# Allegro board RM08S_V10_220913.brd
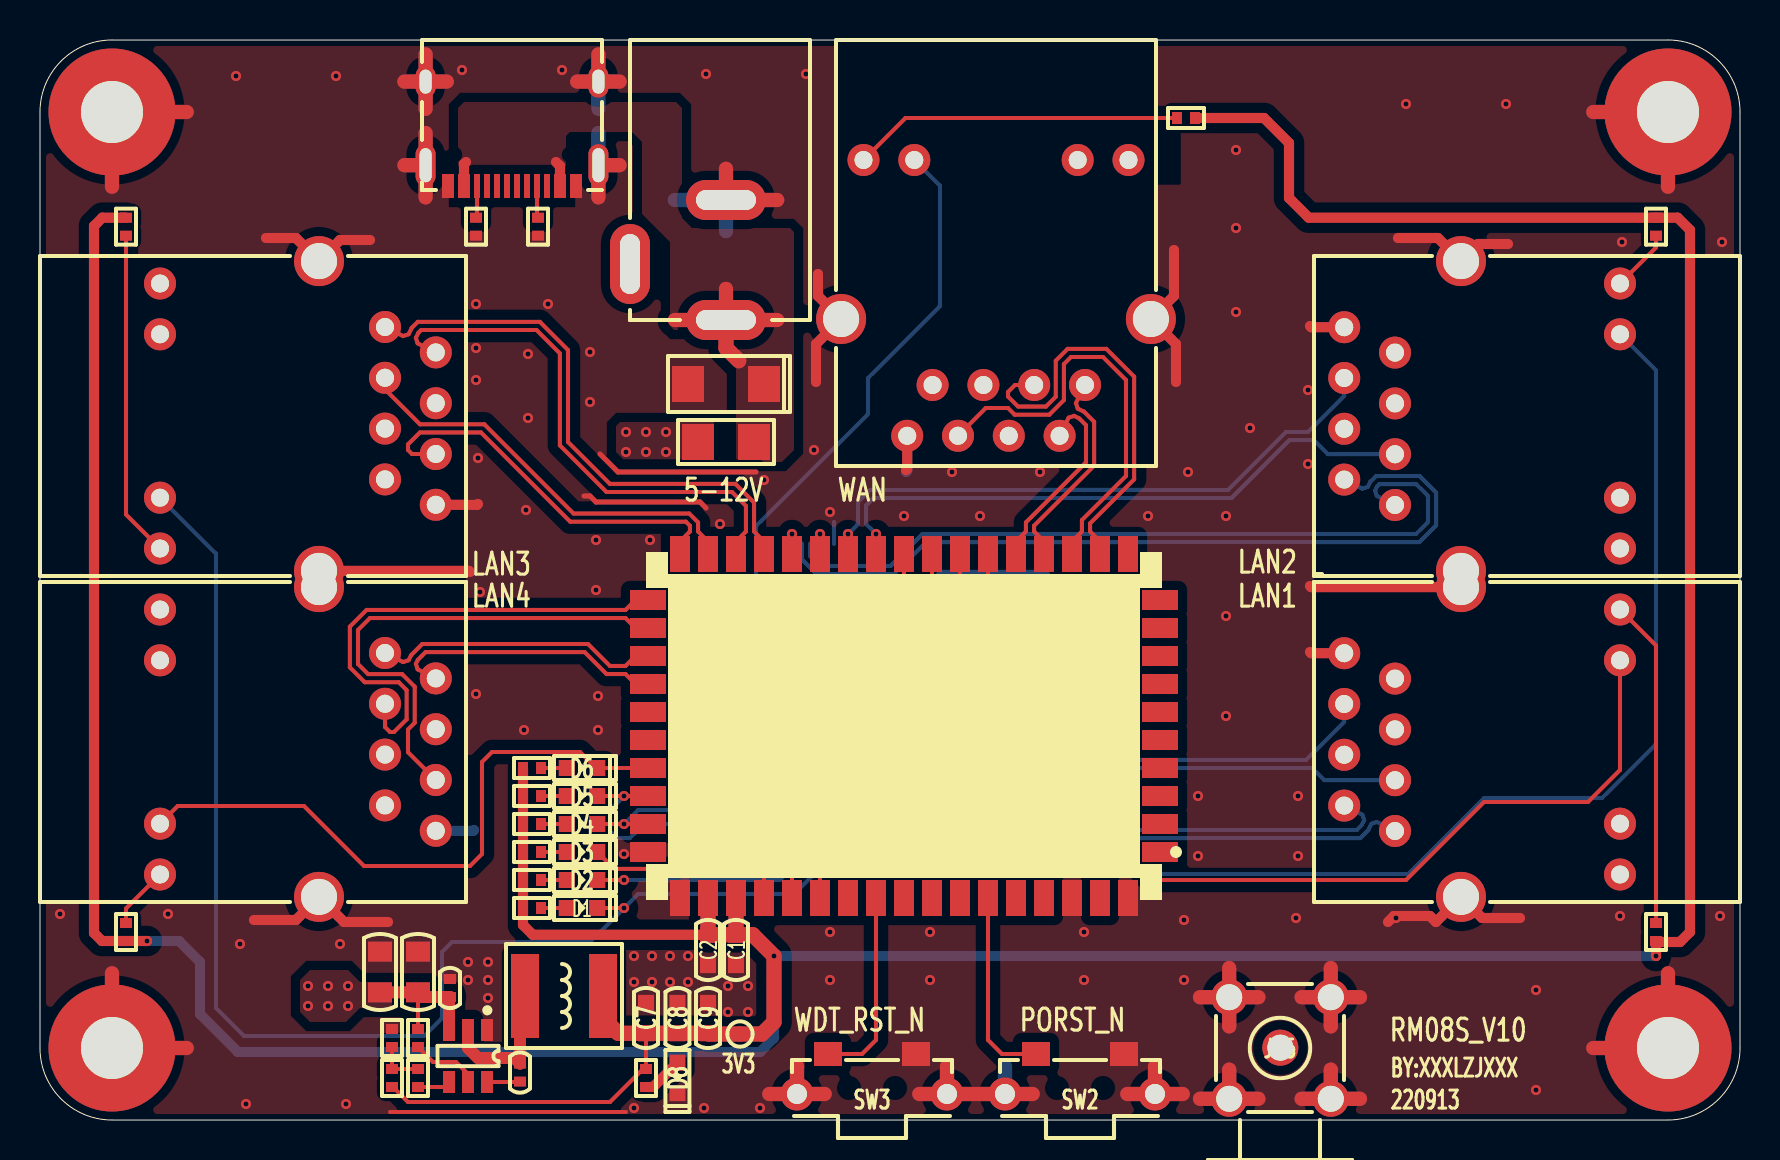
[diagram p0: board, top side]
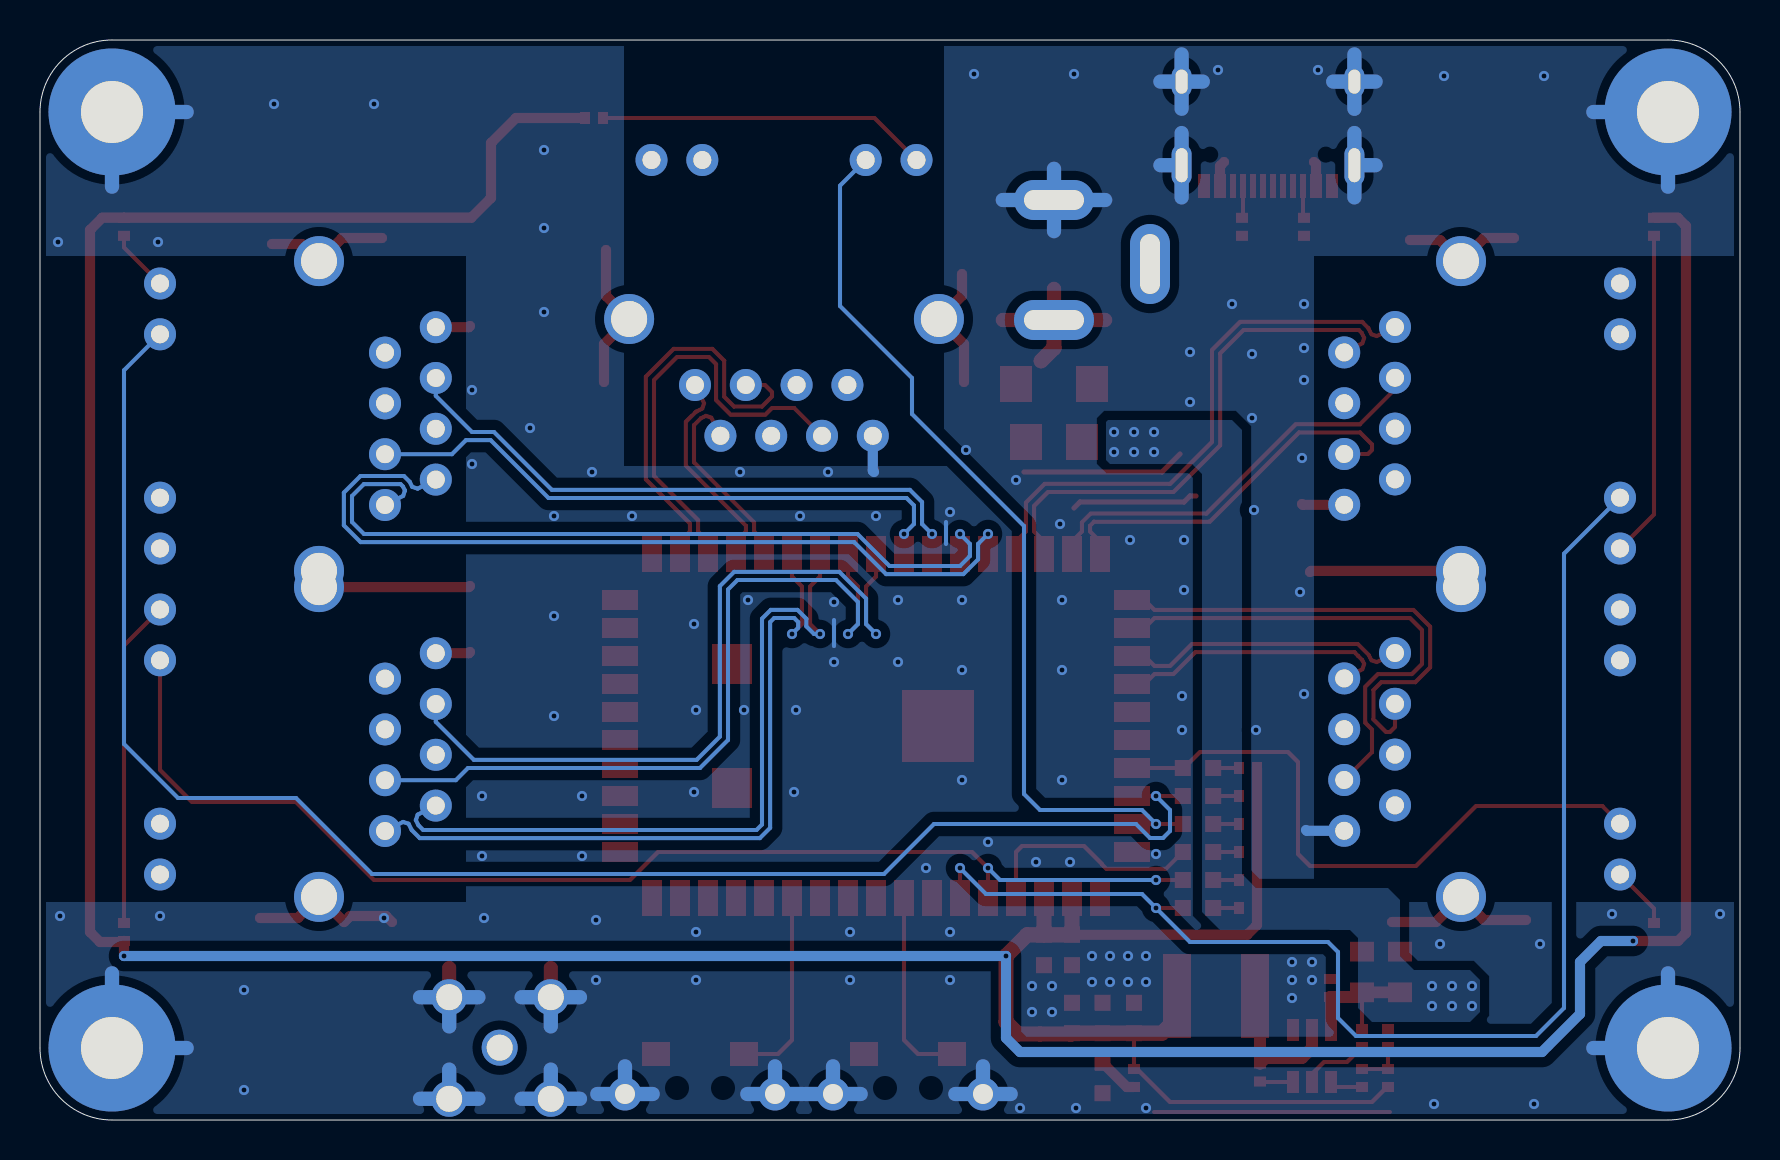
[diagram p1: board, bottom side, seen from below]

Outline 85 x 54 mm; copper layers: TOP, BOTTOM. Coordinates in mm from the lower left corner of the outline.
Outline path: 0,50.4 arc(1.05,52.95) 3.6,54 81.4,54 arc(83.95,52.95) 85,50.4 85,3.6 arc(83.95,1.05) 81.4,0 3.6,0 arc(1.05,1.05) 0,3.6 0,50.4

## Design rules (mm)
constraint set DEFAULT: min track width 0.203, pair gap 0.203
net group P0_R: nets P0_RN P0_RP
net group P0_T: nets P0_TN P0_TP
net group P1_R: nets P1_RN P1_RP
net group P1_T: nets P1_TN P1_TP
net group P2_R: nets P2_RN P2_RP
net group P2_T: nets P2_TN P2_TP
net group P3_R: nets P3_RN P3_RP
net group P3_T: nets P3_TN P3_TP
net group P4_R: nets P4_RN P4_RP
net group P4_T: nets P4_TN P4_TP

## Placement (name value [footprint] x y rotation side)
C1  10uF_10V  [C0603]  34.8 8.5 90 top
C2  10uF_10V  [C0603]  33.4 8.5 90 top
C3  100nF_50V  [C0402]  20.5 6.6 90 top
C5  100nF_50V  [C0402]  24 2.37 90 top
C7  10uF_10V  [C0603]  30.3 5.1 90 top
C8  10uF_10V  [C0603]  31.87 5.1 90 top
C9  10uF_10V  [C0603]  33.4 5.1 90 top
C10  10uF_25V  [C0805]  17 7.4 90 top
C11  10uF_25V  [C0805]  18.9 7.4 90 top
D1  GREEN-0603/NI  [LED0603]  27.1 10.6 0 top
D2  GREEN-0603/NI  [LED0603]  27.1 12 0 top
D3  GREEN-0603  [LED0603]  27.1 13.4 0 top
D4  GREEN-0603/NI  [LED0603]  27.1 14.8 0 top
D5  GREEN-0603/NI  [LED0603]  27.1 16.2 0 top
D6  GREEN-0603/NI  [LED0603]  27.1 17.6 0 top
D7  SS56F  [SMAF]  34.3 36.8 0 top
D8  GREEN-0603  [LED0603]  31.87 2.1 270 top
DC1  -  [DC005]  34.3 46 270 top
F1  BSMD1206-100-16V  [FUSE1206]  34.3 33.9 180 top
J4  -  [HR911105A]  47.8 43.1 90 top
J5  -  [HR911105A]  74.1 18.9 0 top
J6  -  [HR911105A]  74.1 35.2 0 top
J7  -  [HR911105A]  10.9 35.2 180 top
J8  -  [HR911105A]  10.9 18.9 180 top
J26  SMA-KE  [SMA-KWE]  62 3.6 270 top
L1  SWPA5020S4R7  [L5020]  26.2 6.2 0 top
MH1  HOLE-M3/NI  [HOLE6R35X3R10]  3.6 50.4 0 top
MH2  HOLE-M3/NI  [HOLE6R35X3R10]  81.4 50.4 0 top
MH3  HOLE-M3/NI  [HOLE6R35X3R10]  3.6 3.6 0 top
MH4  HOLE-M3/NI  [HOLE6R35X3R10]  81.4 3.6 0 top
NOREF  -  []  0 0 0 top
NOREF#2  -  []  0 0 90 top
NOREF#3  -  []  0 0 0 top
NOREF#4  -  []  0 0 0 top
NOREF#5  -  []  0 0 90 top
NOREF#6  -  []  0 0 90 top
R1  4.7K  [R0402]  24.6 10.6 180 top
R2  4.7K  [R0402]  24.6 12 180 top
R3  4.7K  [R0402]  24.6 13.4 180 top
R4  4.7K  [R0402]  24.6 14.8 180 top
R7  4.7K  [R0402]  24.6 16.2 180 top
R9  4.7K  [R0402]  24.6 17.6 180 top
R10  31.6K  [R0402]  17.6 2.1 90 top
R11  10K  [R0402]  18.9 2.1 90 top
R12  10K  [R0402]  17.6 4.1 90 top
R13  100K  [R0402]  18.9 4.1 270 top
R18  4.7K  [R0402]  24.9 44.66 90 top
R20  4.7K  [R0402]  21.8 44.66 270 top
R22  4.7K  [R0402]  30.3 2.1 90 top
R31  4.7K  [R0402]  57.3 50.1 180 top
R32  4.7K  [R0402]  80.8 9.4 90 top
R33  4.7K  [R0402]  80.8 44.66 270 top
R34  4.7K  [R0402]  4.3 44.66 270 top
R35  4.7K  [R0402]  4.3 9.4 90 top
SW2  -  [K2-1112SW-A4SW-04]  52 1.6 180 top
SW3  -  [K2-1112SW-A4SW-04]  41.6 1.6 180 top
TP1  TP/NI  [TP-0R75]  35 4.3 270 top
U1  -  [HLK-RM08S]  43.2 19.7 180 top
U2  BL8032CB6TR  [SOT23-6]  21.4 3.2 180 top
USB1  -  [TYPE-C-31-M-12]  23.6 46.7 180 top

## Library data of the parts
C1 C2 C10 C11 = CAP NP_3
C3 C5 C7-C9 = CAP NP
D1-D6 D8 = LED_4
D7 = DIODE13_9
DC1 = DC005
F1 = FUSE
J4-J8 = CON_RJ45_1X8_F_RA_0
J26 = SMA-50R_0
L1 = INDUCTOR_0
MH1-MH4 = Hold_1
R1-R4 R7 R9-R13 R18 R20 R22 R31-R35 = R_Generic
SW2 SW3 = SWITCH-SPST-4P
TP1 = TestPoint
U1 = HLK-RM08S_1
U2 = BL8032CB6TR
USB1 = TYPE-C_16P

## Footprints (pads in the part's own frame, mm; a bottom-side part is the same pattern mirrored in y, then rotated)
C0402
  rect 0.5x0.6 smd: 1(-0.45,0) 2(0.45,0)
C0603
  rect 0.8x0.8 smd: 1(-0.762,0) 2(0.762,0)
C0805
  rect 1x1.2 smd: 1(-1.016,0) 2(1.016,0)
DC005
  oval 2x4 hole 1x3: 1(6,0) 2(0,0)
  oval 4x2 hole 3x1: 3(3.2,-4.8)
FUSE1206
  rect 1.6x1.8 smd: 1(-1.4,0) 2(1.4,0)
HLK-RM08S
  rect 1.8x1 smd: 1(-12.8,6.3) 2(-12.8,4.9) 3(-12.8,3.5) 4(-12.8,2.1) 5(-12.8,0.7) 6(-12.8,-0.7) 7(-12.8,-2.1) 8(-12.8,-3.5) 9(-12.8,-4.9) 10(-12.8,-6.3) 28(12.8,-6.3) 29(12.8,-4.9) 30(12.8,-3.5) 31(12.8,-2.1) 32(12.8,-0.7) 33(12.8,0.7) 34(12.8,2.1) 35(12.8,3.5) 36(12.8,4.9) 37(12.8,6.3)
  rect 1x1.8 smd: 11(-11.2,-8.6) 12(-9.8,-8.6) 13(-8.4,-8.6) 14(-7,-8.6) 15(-5.6,-8.6) 16(-4.2,-8.6) 17(-2.8,-8.6) 18(-1.4,-8.6) 19(0,-8.6) 20(1.4,-8.6) 21(2.8,-8.6) 22(4.2,-8.6) 23(5.6,-8.6) 24(7,-8.6) 25(8.4,-8.6) 26(9.8,-8.6) 27(11.2,-8.6) 38(11.2,8.6) 39(9.8,8.6) 40(8.4,8.6) 41(7,8.6) 42(5.6,8.6) 43(4.2,8.6) 44(2.8,8.6) 45(1.4,8.6) 46(0,8.6) 47(-1.4,8.6) 48(-2.8,8.6) 49(-4.2,8.6) 50(-5.6,8.6) 51(-7,8.6) 52(-8.4,8.6) 53(-9.8,8.6) 54(-11.2,8.6)
  rect 2x2 smd: 55(-7.2,3.1) 56(-7.2,-3.1)
  rect 3.6x3.6 smd: 57(3.1,0)
HOLE6R35X3R10
  round 6.35 hole 3.1: 1(0,0)
HR911105A
  round 1.6 hole 0.9: 1(-6.35,-4.45) 2(-8.89,-3.18) 3(-6.35,-1.91) 4(-8.89,-0.64) 5(-6.35,0.63) 6(-8.89,1.9) 7(-6.35,3.17) 8(-8.89,4.44) 9(4.9,-6.625) 10(4.9,-4.085) 11(4.9,4.085) 12(4.9,6.625)
  round 2.5 hole 1.8: 13(-3.05,-7.745) 14(-3.05,7.745)
K2-1112SW-A4SW-04
  round 1.65 hole 1: 1(-3.75,0.3) 4(3.75,0.3)
  rect 1.4x1.2 smd: 2(-2.2,-1.7) 3(2.2,-1.7)
L5020
  rect 1.4x4.2 smd: 1(-1.95,0) 2(1.95,0)
LED0603
  rect 0.8x0.8 smd: 1(-0.762,0) 2(0.762,0)
R0402
  rect 0.5x0.6 smd: 1(-0.45,0) 2(0.45,0)
SMA-KWE
  round 1.8 hole 1.3: 1(-0.016,0.016) 2(-2.54,2.54) 3(-2.54,-2.54) 4(2.54,-2.54) 5(2.54,2.54)
SMAF
  rect 1.6x1.8 smd: 1(-1.9,0) 2(1.9,0)
SOT23-6
  rect 0.6x1.1 smd: 1(-0.95,-1.3) 2(0,-1.3) 3(0.95,-1.3) 4(0.95,1.3) 5(0,1.3) 6(-0.95,1.3)
TP-0R75
  round 0.75 smd: 1(0,0)
TYPE-C-31-M-12
  rect 0.6x1.2 smd: 1(-3.2,0) 2(-2.4,0) 11(2.4,0) 12(3.2,0)
  rect 0.3x1.2 smd: 3(-1.75,0) 4(-1.25,0) 5(-0.75,0) 6(-0.25,0) 7(0.25,0) 8(0.75,0) 9(1.25,0) 10(1.75,0)
  oval 1x2.1 hole 0.6x1.7: 13(-4.32,-1.04) 14(4.32,-1.04)
  oval 1x1.6 hole 0.6x1.2: 15(-4.32,-5.22) 16(4.32,-5.22)

## Nets
GND: C1.1 C2.1 C3.2 C7.2 C8.2 C9.2 C10.2 C11.2 D7.1 D8.2(CATHODE) DC1.2 J4.8 J4.13 J4.14 J5.8 J5.13 J5.14 J6.8 J6.13 J6.14 J7.8 J7.13 J7.14 J8.8 J8.13 J8.14 J26.2 J26.3 J26.4 J26.5 MH1.1 MH2.1 MH3.1 MH4.1 R12.2 R18.1 R20.2 SW2.1 SW2.2 SW2.4 SW3.1 SW3.2 SW3.4 U1.37 U1.38 U1.52 U1.54 U1.55 U1.56 U1.57 U2.1 USB1.1 USB1.12 USB1.13 USB1.14 USB1.15 USB1.16
VCC_3.3V: C1.2 C2.2 C7.1 C8.1 C9.1 L1.2 R1.2 R2.2 R3.2 R4.2 R7.2 R9.2 R10.1 R22.2 R31.1 R32.1 R33.1 R34.1 R35.1 TP1.1 U1.39 U1.40
VCC_IN: C3.1 C10.1 C11.1 F1.2 R13.1 U2.3(VIN)
VIN: D7.2(ANODE_2) DC1.1 F1.1 USB1.2 USB1.11(VBUS2)
CC1: R18.2 USB1.4
CC2: R20.1 USB1.10
EPHY_LED0_N: D4.2(CATHODE) J4.11 U1.36
EPHY_LED1_N: D2.2(CATHODE) J5.11 U1.42
EPHY_LED2_N: D5.2(CATHODE) J6.11 U1.35
EPHY_LED3_N: D1.2(CATHODE) J7.11 U1.43
EPHY_LED4_N: D6.2(CATHODE) J8.11 U1.34
P0_RN: J4.6 U1.13
P0_RP: J4.3 U1.12
P0_TN: J4.2 U1.15
P0_TP: J4.1(TXP1) U1.14
P1_RN: J5.6 U1.19
P1_RP: J5.3 U1.18
P1_TN: J5.2 U1.17
P1_TP: J5.1(TXP1) U1.16
P2_RN: J6.6 U1.21
P2_RP: J6.3 U1.20
P2_TN: J6.2 U1.23
P2_TP: J6.1(TXP1) U1.22
P3_RN: J7.6 U1.27
P3_RP: J7.3 U1.26
P3_TN: J7.2 U1.25
P3_TP: J7.1(TXP1) U1.24
P4_RN: J8.6 U1.29
P4_RP: J8.3 U1.28
P4_TN: J8.2 U1.31
P4_TP: J8.1(TXP1) U1.30
PORST_N: SW2.3 U1.49
WDT_RST_N: SW3.3 U1.45
WLED_N: D3.2(CATHODE) U1.41(WLED_N)
N17658430: D1.1 R1.1
N17658451: D2.1 R2.1
N17658472: D3.1 R3.1
N17658493: D4.1 R4.1
N17658514: D5.1 R7.1
N17658535: D6.1 R9.1
N17666674: C5.2 L1.1 U2.2
N17666732: C5.1 U2.6
N17666806: R13.2 U2.5
N17666818: R10.2 R11.2 R12.1
N17666838: R11.1 U2.4
N17668145: J4.12 R31.2
N17668762: J5.12 R32.2
N17669069: J6.12 R33.2
N17669569: J7.12 R34.2
N17669575: J8.12 R35.2
N17672007: D8.1 R22.1

Pads without a net: DC1 3; J4 4 5 7 9 10; J5 4 5 7 9 10; J6 4 5 7 9 10; J7 4 5 7 9 10; J8 4 5 7 9 10; J26 1; U1 1 2 3 4 5 6 7 8 9 10 11 32 33 44 46 47 48 50 51 53; USB1 3 5 6 7 8 9

## Via types
v1: diameter 0.508, hole 0.254, TOP to BOTTOM, 142 vias

## Routing (per net, layer and track width the routed paths; a pad name or vN(x,y) marks a point on that pad's centre or on a via; arc(x,y) is an arc through that point)
GND: length 275.1
  TOP w0.203: 45.3,24.9 45.3,23.7 ; 17.5,0.4 29.3,0.4
  TOP w0.254: 27.2,31.2 27.5,31.2 27.8,30.9 33,30.9 33.3,30.6 ; 28,33.3 28.9,32.4 35.8,32.4
  TOP w0.508: 16.5,44 15.01,44 J7.13 12.79,44.1 11.3,44.1 ; J7.8 21.86,30.76 21.9,30.8 ; 67.9,44.1 69.89,44.1 J6.14 71.91,43.8 73.4,43.8 ; 38.9,42.3 38.9,41.2 J4.14 38.8,38.8 38.8,36.9 ; 74,10.1 72.11,10.1 71.05,11.15 69.8,9.9 69.5,10.2 67.7,10.2 67.4,9.9 ; J8.13 J7.14 21.45,27.45 21.5,27.4 ; 56.8,36.9 56.8,38.8 J4.13 56.7,41.2 56.7,43.5 ; 10.7,10 12.79,10 13.95,11.15 15.21,9.9 17.4,9.9 ; 63.5,26.7 63.55,26.64 J5.14 J6.13 ; 63.5,23.4 63.56,23.34 J5.8 ; J4.8 43.36,32.56 43.3,32.5 ; J6.8 63.56,39.64 63.5,39.7
  TOP w0.711: J26.2 66,6.14 ; J26.2 64.54,7.6 ; J26.2 64.54,4.68 ; J26.2 63.08,6.14 ; 19.28,50.56 USB1.16 ; USB1.16 19.28,53.28 ; USB1.16 18.22,51.92 ; USB1.16 20.34,51.92 ; 28.98,47.74 USB1.13 27.92,46.13 ; 7.33,50.4 MH1.1 3.6,46.67 ; 81.4,46.67 MH2.1 77.67,50.4 ; SW3.4 37.85,2.68 ; SW3.4 39.23,1.3 ; SW3.4 36.47,1.3 ; 3.6,7.33 MH3.1 7.33,3.6 ; 46.87,1.3 SW2.4 49.63,1.3 ; 19.28,46.13 USB1.14 ; USB1.14 18.22,47.74 ; USB1.14 19.28,49.35 ; 58,6.14 J26.3 ; J26.3 59.46,7.6 ; J26.3 60.92,6.14 ; J26.3 59.46,4.68 ; SW2.1 57.13,1.3 ; SW2.1 54.37,1.3 ; SW2.1 55.75,2.68 ; 43.97,1.3 SW3.1 ; SW3.1 46.73,1.3 ; SW3.1 45.35,2.68 ; 34.3,47.56 DC1.2 36.86,46 ; USB1.15 28.98,51.92 ; USB1.15 26.86,51.92 ; USB1.15 27.92,53.28 ; J26.4 59.46,2.52 ; J26.4 58,1.06 ; J26.4 60.92,1.06 ; 77.67,3.6 MH4.1 81.4,7.33 ; 63.08,1.06 J26.5 ; J26.5 66,1.06 ; J26.5 64.54,2.52
  BOTTOM w0.203: 45.3,25 45.3,23.7 ; 39.7,29.9 39.7,28.8
  BOTTOM w0.508: 43.3,32.4 43.36,32.46 J4.8 ; 21.7,14.5 21.66,14.46 J8.8
  BOTTOM w0.711: USB1.14 19.28,49.35 ; USB1.14 19.28,46.13 ; USB1.14 18.22,47.74 ; SW3.4 37.85,2.68 ; SW3.4 39.23,1.3 ; SW3.4 36.47,1.3 ; USB1.15 27.92,53.28 ; USB1.15 28.98,51.92 ; USB1.15 26.86,51.92 ; USB1.15 27.92,50.56 ; 58,1.06 J26.4 ; J26.4 59.46,2.52 ; J26.4 60.92,1.06 ; 3.6,46.67 MH1.1 7.33,50.4 ; USB1.16 19.28,53.28 ; USB1.16 18.22,51.92 ; USB1.16 20.34,51.92 ; USB1.16 19.28,50.56 ; 31.74,46 DC1.2 ; DC1.2 34.3,44.44 ; DC1.2 36.86,46 ; DC1.2 34.3,47.56 ; 63.08,6.14 J26.2 ; J26.2 66,6.14 ; J26.2 64.54,4.68 ; 7.33,3.6 MH3.1 3.6,7.33 ; SW3.1 45.35,2.68 ; SW3.1 46.73,1.3 ; SW3.1 43.97,1.3 ; SW2.1 55.75,2.68 ; SW2.1 54.37,1.3 ; SW2.1 57.13,1.3 ; J26.5 64.54,2.52 ; J26.5 63.08,1.06 ; J26.5 66,1.06 ; 27.92,46.13 USB1.13 ; USB1.13 27.92,49.35 ; USB1.13 28.98,47.74 ; 46.87,1.3 SW2.4 ; SW2.4 49.63,1.3 ; SW2.4 48.25,2.68 ; 58,6.14 J26.3 ; J26.3 60.92,6.14 ; J26.3 59.46,4.68 ; 77.67,3.6 MH4.1 81.4,7.33 ; 77.67,50.4 MH2.1 81.4,46.67
  vias: v1(1,10.3) v1(6.4,10.3) v1(9.8,52.2) v1(10,8.8) v1(10.3,0.8) v1(14.8,52.2) v1(15,8.8) v1(15.3,0.8) v1(21.1,52.5) v1(21.4,7.9) v1(21.4,7) v1(21.8,40.8) v1(21.8,38.6) v1(21.8,37) v1(21.8,21.3) v1(21.9,33.1) v1(22,26.4) v1(22.4,7.9) v1(22.4,7) v1(22.4,6.1) v1(24.2,19.5) v1(24.3,30.5) v1(24.4,38.3) v1(24.4,35.1) v1(25.4,40.8) v1(26.1,52.5) v1(27.5,38.4) v1(27.5,35.9) v1(27.8,29) v1(27.8,26.5) v1(27.9,21.2) v1(27.9,19.5) v1(29.2,13.3) v1(29.7,8.2) v1(29.7,6.9) v1(29.7,0.6) v1(30.5,29) v1(30.6,8.2) v1(30.6,6.9) v1(31.5,8.2) v1(31.5,6.9) v1(32.4,8.2) v1(32.4,6.9) v1(33.2,0.6) v1(33.3,52.3) v1(33.5,12.9) v1(33.9,26) v1(33.9,22.5) v1(33.9,17) v1(34,29.8) v1(34.4,6.7) v1(34.4,5.4) v1(35.2,12.9) v1(35.4,6.7) v1(35.4,5.4) v1(36,0.6) v1(36.2,32) v1(37.6,13.9) v1(38.3,52.3) v1(38.7,33.5) v1(38.9,26) v1(38.9,22.5) v1(38.9,17) v1(39.5,30.4) v1(39.5,9.4) v1(39.5,7) v1(40.7,12.6) v1(42.1,26) v1(42.1,22.9) v1(43.2,30.2) v1(44.5,9.4) v1(44.5,7) v1(45.3,25.9) v1(45.3,22.9) v1(45.6,32.4) v1(47,30.2) v1(47.2,20.5) v1(47.3,16.4) v1(49.6,26) v1(49.8,20.5) v1(50,32.4) v1(52.2,20.5) v1(52.2,9.4) v1(52.2,7) v1(52.3,24.8) v1(52.3,16.4) v1(55.4,30.2) v1(57.2,10) v1(57.2,7) v1(57.4,32.4) v1(57.9,16.2) v1(57.9,13.2) v1(59.3,30.2) v1(59.3,25.2) v1(59.3,20.2) v1(59.8,48.5) v1(59.8,44.6) v1(59.8,40.4) v1(60.5,34.6) v1(62.8,10.1) v1(62.9,16.2) v1(62.9,13.2) v1(63.4,36.5) v1(63.4,32.8) v1(67.8,10.1) v1(68.3,50.8) v1(73.3,50.8) v1(74.8,6.5) v1(74.8,1.5) v1(79,10.2) v1(79.1,43.9) v1(84,10.2) v1(84.1,43.9)
VCC_3.3V: length 244.3
  TOP w0.203: C7.1 R22.2 30.15,2.55 28.5,0.9 18.4,0.9 17.65,1.65 R10.1
  TOP w0.508: C2.2 24.64,9.26 24.15,9.75 R1.2 R2.2 R3.2 R4.2 R7.2 R9.2 ; v1(5.35,8.95) R35.1 3.1,8.95 2.7,9.35 2.7,44.7 3.12,45.12 R34.1 ; v1(80.8,8.2) R32.1 80.85,8.9 82,8.9 82.5,9.4 82.5,44.5 81.89,45.12 R33.1 63.44,45.12 62.45,46.1 62.45,48.85 61.2,50.1 R31.1
  TOP w0.762: 34.8,11.35 U1.40 C1.2 ; C1.2 35.64,9.26 v1(36.7,8.2) 36.7,4.9 36.1,4.3 TP1.1 33.44,4.3 C9.1 C8.1 C7.1 28.91,4.34 28.15,5.1 L1.2 ; C1.2 C2.2 U1.39 33.4,11.35
  BOTTOM w0.508: v1(80.8,8.2) v1(36.7,8.2) 36.7,4.1 36,3.4 9.9,3.4 8,5.3 8,7.9 6.95,8.95 v1(5.35,8.95)
VCC_IN: length 7.1
  TOP w0.203: R13.1 C11.1
  TOP w0.6: C10.1 C11.1 19.13,6.15 C3.1 20.45,6.1 U2.3
  vias: v1(13.4,6.7) v1(13.4,5.7) v1(14.4,6.7) v1(14.4,5.7) v1(15.4,6.7) v1(15.4,5.7) v1(29.3,34.4) v1(29.3,33.4) v1(30.3,34.4) v1(30.3,33.4) v1(31.3,34.4) v1(31.3,33.4)
VIN: length 11.5
  TOP w0.508: 25.8,47.9 26,47.7 USB1.2 ; USB1.11 21.2,47.8 21.3,47.9
  TOP w0.711: DC1.1 34.3,41.56 ; DC1.1 31.74,40 ; DC1.1 36.86,40
  TOP w0.762: 34.94,37.96 34.3,38.6 DC1.1
CC1: length 1.6
  TOP w0.203: USB1.4 24.85,45.16 R18.2
CC2: length 1.6
  TOP w0.203: R20.1 21.85,45.16 USB1.10
EPHY_LED0_N: length 46.1
  TOP w0.203: 30.65,14.8 U1.36 v1(29.2,14.8) D4.2
  BOTTOM w0.203: 43.72,48 45,46.72 45,40.7 41.4,37.1 41.4,35.3 35.8,29.7 35.8,16.3 35,15.5 29.9,15.5 v1(29.2,14.8)
EPHY_LED1_N: length 61.6
  TOP w0.203: D2.2 v1(29.2,12) ; J5.11 79,17.5 77.4,15.9 72.2,15.9 68.3,12 55.5,12 54.1,13.4 38.4,13.4 v1(37.6,12.6) U1.42
  BOTTOM w0.203: v1(37.6,12.6) 37,12 v1(29.2,12)
EPHY_LED2_N: length 82.5
  TOP w0.203: D5.2 v1(29.2,16.2) U1.35 30.65,16.2
  BOTTOM w0.203: v1(29.2,16.2) 28.5,15.5 28.5,14.45 28.85,14.1 29.5,14.1 30.2,14.8 40.3,14.8 42.8,12.3 68.4,12.3 72.2,16.1 78.1,16.1 80.8,18.8 80.8,37.48 79,39.28
EPHY_LED3_N: length 65.7
  TOP w0.203: U1.43 v1(39,12.6) ; D1.2 v1(29.2,10.6)
  BOTTOM w0.203: v1(39,12.6) 37.7,11.3 29.9,11.3 v1(29.2,10.6) 27.5,8.9 20.6,8.9 20.1,8.4 20.1,5.1 19.2,4.2 10.2,4.2 8.8,5.6 8.8,28.32 J7.11
EPHY_LED4_N: length 31.6
  TOP w0.203: 30.65,17.6 U1.34 D6.2 27.8,17.6 27,18.4 22.6,18.4 22.1,17.9 22.1,13.3 21.5,12.7 16.2,12.7 13.2,15.7 6.88,15.7 6,14.81
P0_RN: length 21.9
  TOP w0.203: J4.6 47.29,35.6 48.4,35.6 48.74,35.26 50.46,35.26 51.2,36 51.2,37.8 51.55,38.15 53.15,38.15 54.3,37 54.3,32.2 52.1,30 52.1,29.43 51.6,28.93 U1.13 51.6,28.05
P0_RP: length 21.3
  TOP w0.203: 53,28.05 U1.12 53,28.93 52.5,29.43 52.5,29.83 54.71,32.03 54.71,37.17 53.32,38.56 51.38,38.56 50.79,37.96 50.79,36.16 50.3,35.67 48.9,35.67 48.4,36.17 48.4,36.4 48.75,36.75 J4.3
P0_TN: length 10.2
  TOP w0.203: J4.2 51.43,35.12 51.71,35.21 51.96,35.08 52.3,34.74 52.3,32.88 49.3,29.88 49.3,29.43 48.8,28.93 U1.15 48.8,28.05
P0_TP: length 10.7
  TOP w0.203: 50.2,28.05 U1.14 50.2,28.93 49.7,29.43 49.7,29.71 52.71,32.72 52.71,34.91 52.2,35.41 51.89,35.57 51.8,35.84 J4.1
P1_RN: length 38.4
  TOP w0.203: v1(43.2,24.3) 43.7,24.8 43.7,26.67 43.2,27.17 U1.19
  BOTTOM w0.203: v1(43.2,24.3) 43.7,24.8 43.7,26.07 45.03,27.41 50.29,27.41 51.01,26.69 51.01,19.17 52.17,18.01 63.31,18.01 65.21,19.91 J5.6
P1_RP: length 38.9
  TOP w0.203: U1.18 44.6,27.17 44.1,26.67 44.1,24.8 v1(44.6,24.3)
  BOTTOM w0.203: J5.3 64.21,16.99 63.6,17.6 52,17.6 50.6,19 50.6,26.53 50.13,27 45.2,27 44.1,25.9 44.1,24.8 v1(44.6,24.3)
P1_TN: length 37.5
  TOP w0.203: v1(46,24.3) 46.5,24.8 46.5,26.67 46,27.17 U1.17
  BOTTOM w0.203: v1(46,24.3) 46.3,24.3 46.68,24.68 46.68,25.07 47.13,25.51 48.46,25.51 48.9,25.07 48.9,14.77 49.17,14.5 65.84,14.5 66.08,14.74 66.21,14.99 66.12,15.27 J5.2
P1_TP: length 37
  TOP w0.203: U1.16 47.4,27.17 46.9,26.67 46.9,24.8 v1(47.4,24.3)
  BOTTOM w0.203: v1(47.4,24.3) 47.09,24.61 47.09,24.9 47.29,25.1 48.29,25.1 48.49,24.9 48.49,14.61 49.01,14.09 66.01,14.09 66.41,14.5 66.57,14.81 66.84,14.9 J5.1
P2_RN: length 30.5
  TOP w0.203: v1(40.4,29.3) U1.21 40.4,28.05
  BOTTOM w0.203: v1(40.4,29.3) 40.9,29.8 40.9,30.9 41.51,31.51 59.41,31.51 62.3,34.4 63.4,34.4 65.21,36.21 J6.6
P2_RP: length 31
  TOP w0.203: v1(41.8,29.3) U1.20 41.8,28.05
  BOTTOM w0.203: v1(41.8,29.3) 41.3,29.8 41.3,30.73 41.67,31.1 59.57,31.1 62.47,33.99 63.7,33.99 64.4,33.29 J6.3
P2_TN: length 42.7
  TOP w0.203: 37.6,28.05 U1.23 v1(37.6,29.3)
  BOTTOM w0.203: v1(37.6,29.3) 38.1,28.8 38.1,28.03 38.83,27.29 42.69,27.29 44.29,28.89 68.97,28.89 69.81,29.73 69.81,31.37 68.97,32.2 66.8,32.2 66.52,31.91 66.39,31.66 66.12,31.57 J6.2
P2_TP: length 40.2
  TOP w0.203: v1(39,29.3) U1.22 39,28.05
  BOTTOM w0.203: v1(39,29.3) 38.5,28.8 38.5,28.2 39,27.7 42.53,27.7 44.13,29.3 68.8,29.3 69.4,29.9 69.4,31.2 68.81,31.79 66.97,31.79 66.85,31.67 66.75,31.48 66.84,31.2 J6.1
P3_RN: length 19.9
  TOP w0.203: J7.6 18.6,33.3 18.4,33.5 18.4,33.78 19,34.38 22.05,34.38 26.51,29.92 32.29,29.92 32.5,29.71 32.5,29.43 32,28.93 U1.27 32,28.05
P3_RP: length 21
  TOP w0.203: 33.4,28.05 U1.26 33.4,28.93 32.9,29.43 32.9,29.88 32.46,30.32 26.68,30.32 22.21,34.79 19,34.79 17.25,36.54 J7.3
P3_TN: length 27.2
  TOP w0.203: 34.8,28.05 U1.25 34.8,28.93 35.3,29.43 35.3,30.7 34.6,31.4 28.33,31.4 25.99,33.73 25.99,38.33 24.83,39.5 19.06,39.5 18.92,39.36 18.79,39.11 18.88,38.83 J7.2
P3_TP: length 28.4
  TOP w0.203: J7.1 18.16,39.2 18.43,39.29 18.59,39.6 18.89,39.91 24.99,39.91 26.4,38.5 26.4,33.9 28.49,31.81 34.77,31.81 35.7,30.87 35.7,29.43 36.2,28.93 U1.24 36.2,28.05
P4_RN: length 25.6
  TOP w0.203: 30.65,24.6 U1.29 29.77,24.6 29.27,25.1 16.5,25.1 15.9,24.5 15.9,22.8 16.4,22.3 18.1,22.3 18.74,21.66 18.74,19.86 18.4,19.53 18.4,18.39 J8.6
P4_RP: length 25.1
  TOP w0.203: 30.65,26 U1.28 29.77,26 29.27,25.5 16.33,25.5 15.49,24.67 15.49,22.63 16.24,21.89 17.94,21.89 18.33,21.5 18.33,20.03 17.7,19.4 17.5,19.4 17.25,19.65 J8.3
P4_TN: length 14.1
  TOP w0.203: 30.65,21.8 U1.31 29.77,21.8 29.27,22.3 28.33,22.3 27.23,23.39 19.28,23.39 19.09,23.2 18.89,23 18.79,22.81 18.88,22.53 J8.2
P4_TP: length 14.6
  TOP w0.203: J8.1 18.16,22.9 18.43,22.99 18.56,23.24 19.11,23.8 27.4,23.8 28.5,22.7 29.27,22.7 29.77,23.2 U1.30 30.65,23.2
PORST_N: length 10
  TOP w0.203: SW2.3 48.1,3.3 47.4,4 U1.49 47.4,11.35
WDT_RST_N: length 10
  TOP w0.203: 41.8,11.35 U1.45 41.8,4 41.1,3.3 SW3.3
WLED_N: length 11.6
  TOP w0.203: D3.2 28.71,12.56 31.68,12.56 31.91,12.79 31.91,12.81 32.8,13.7 35.9,13.7 36.2,13.4 U1.41
N17658430: length 1.3
  TOP w0.203: D1.1 R1.1
N17658451: length 1.3
  TOP w0.203: D2.1 R2.1
N17658472: length 1.3
  TOP w0.203: D3.1 R3.1
N17658493: length 1.3
  TOP w0.203: D4.1 R4.1
N17658514: length 1.3
  TOP w0.203: D5.1 R7.1
N17658535: length 1.3
  TOP w0.203: D6.1 R9.1
N17666674: length 7.3
  TOP w0.6: L1.1 24,5.95 C5.2 23.72,3.1 21.9,3.1 21.4,3.6 U2.2
N17666732: length 1.7
  TOP w0.203: C5.1 23.98,1.9 U2.6
N17666806: length 3.5
  TOP w0.203: U2.5 21.4,2.3 20.8,2.9 19.65,2.9 R13.2
N17666818: length 2.4
  TOP w0.203: R12.1 R10.2 R11.2
N17666838: length 1.7
  TOP w0.203: U2.4 20.2,1.65 R11.1
N17668145: length 16.5
  TOP w0.203: J4.12 43.27,50.1 R31.2
N17668762: length 16.4
  TOP w0.203: J5.12 80.8,23.73 R32.2
N17669069: length 3.1
  TOP w0.203: J6.12 80.8,43.62 80.8,44.22
N17669569: length 16.3
  TOP w0.203: 4.3,44.22 4.3,30.27 J7.12
N17669575: length 3.1
  TOP w0.203: R35.2 4.3,10.57 6,12.28
N17672007: length 2.1
  TOP w0.508: D8.1 30.66,1.65 R22.1

## Copper pours and planes (outline as drawn; the poured copper is in the pictures)
GND on TOP: 55.8,53.7 81.4,53.7 83.73,52.73 84.7,50.4 84.7,43.2 63.7,43.2 63.7,10.9 84.7,10.9 84.7,3.6 83.73,1.27 81.4,0.3 3.6,0.3 1.27,1.27 0.3,3.6 0.3,10.9 21.3,10.9 21.3,43.2 0.3,43.2 0.3,50.4 1.27,52.73 3.6,53.7 39.8,53.7 39.8,32.7 55.8,32.7 ; 4 cut-outs
GND on BOTTOM: 55.8,53.7 81.4,53.7 83.73,52.73 84.7,50.4 84.7,43.2 63.7,43.2 63.7,10.9 84.7,10.9 84.7,3.6 83.73,1.27 81.4,0.3 3.6,0.3 1.27,1.27 0.3,3.6 0.3,10.9 21.3,10.9 21.3,43.2 0.3,43.2 0.3,50.4 1.27,52.73 3.6,53.7 39.8,53.7 39.8,32.7 55.8,32.7
VCC_IN on TOP: 17.6,6.9 16,6.9 15.4,7.5 13.5,7.5 13,7 13,5.4 13.5,4.9 15.3,4.9 16,5.6 17.6,5.6
VCC_IN on TOP: 33.7,34.9 29,34.9 28.8,34.7 28.8,33 29,32.8 33.6,32.8 33.7,32.9
VCC_IN on BOTTOM: 13.5,7.5 16.3,7.5 17,8.2 17,11 17.6,11.6 24.2,11.6 24.9,12.3 24.9,34.5 25.4,35 31.6,35 31.7,34.9 31.7,33 31.5,32.8 27.4,32.8 26.9,32.3 26.9,10.4 26,9.5 19.5,9.5 19.1,9.1 19.1,5.6 18.4,4.9 13.5,4.9 13,5.4 13,7
VIN on TOP: 20.9,46.1 20.9,50.6 21.2,50.9 31.8,50.9 32.1,50.6 32.1,45.1 32.6,44.6 37.5,44.6 37.7,44.4 37.7,33.5 37.1,32.9 34.8,32.9 34.8,39.2 34.5,39.5 31.7,39.5 31.5,39.7 31.5,43.9 30.1,45.3 30.1,48.9 29.6,49.4 26.5,49.4 26.3,49.2 26.3,46.1 25.7,46.1 25.7,47.5 25.5,47.7 21.9,47.7 21.5,47.3 21.5,46.1

## Text on the board
Ref Des/Silkscreen Top: 3V3 | BY:XXXLZJXXX | 220913 | LAN3 | LAN4 | 5-12V | WDT_RST_N | WAN | PORST_N | LAN2 | LAN1 | RM08S_V10
DISPLAY_TOP: FIGURE | FINISHED_SIZE | 0.254 | 0.9 | 1.0 | 1.3 | 1.8 | 3.1 | 1.2x0.6 | 1.7x0.6 | 3.0x1.0 | DRILL CHART: TOP to BOTTOM | ALL UNITS ARE IN MILLIMETERS | ROTATION | - | 90.000 | 0.000 | PLATED | QTY | 142 | 60 | 4 | 5 | 10 | 2 | 1 | 232 | TOTAL HOLES:
